# KiCad board STM_proto_board.kicad_pcb (continued)
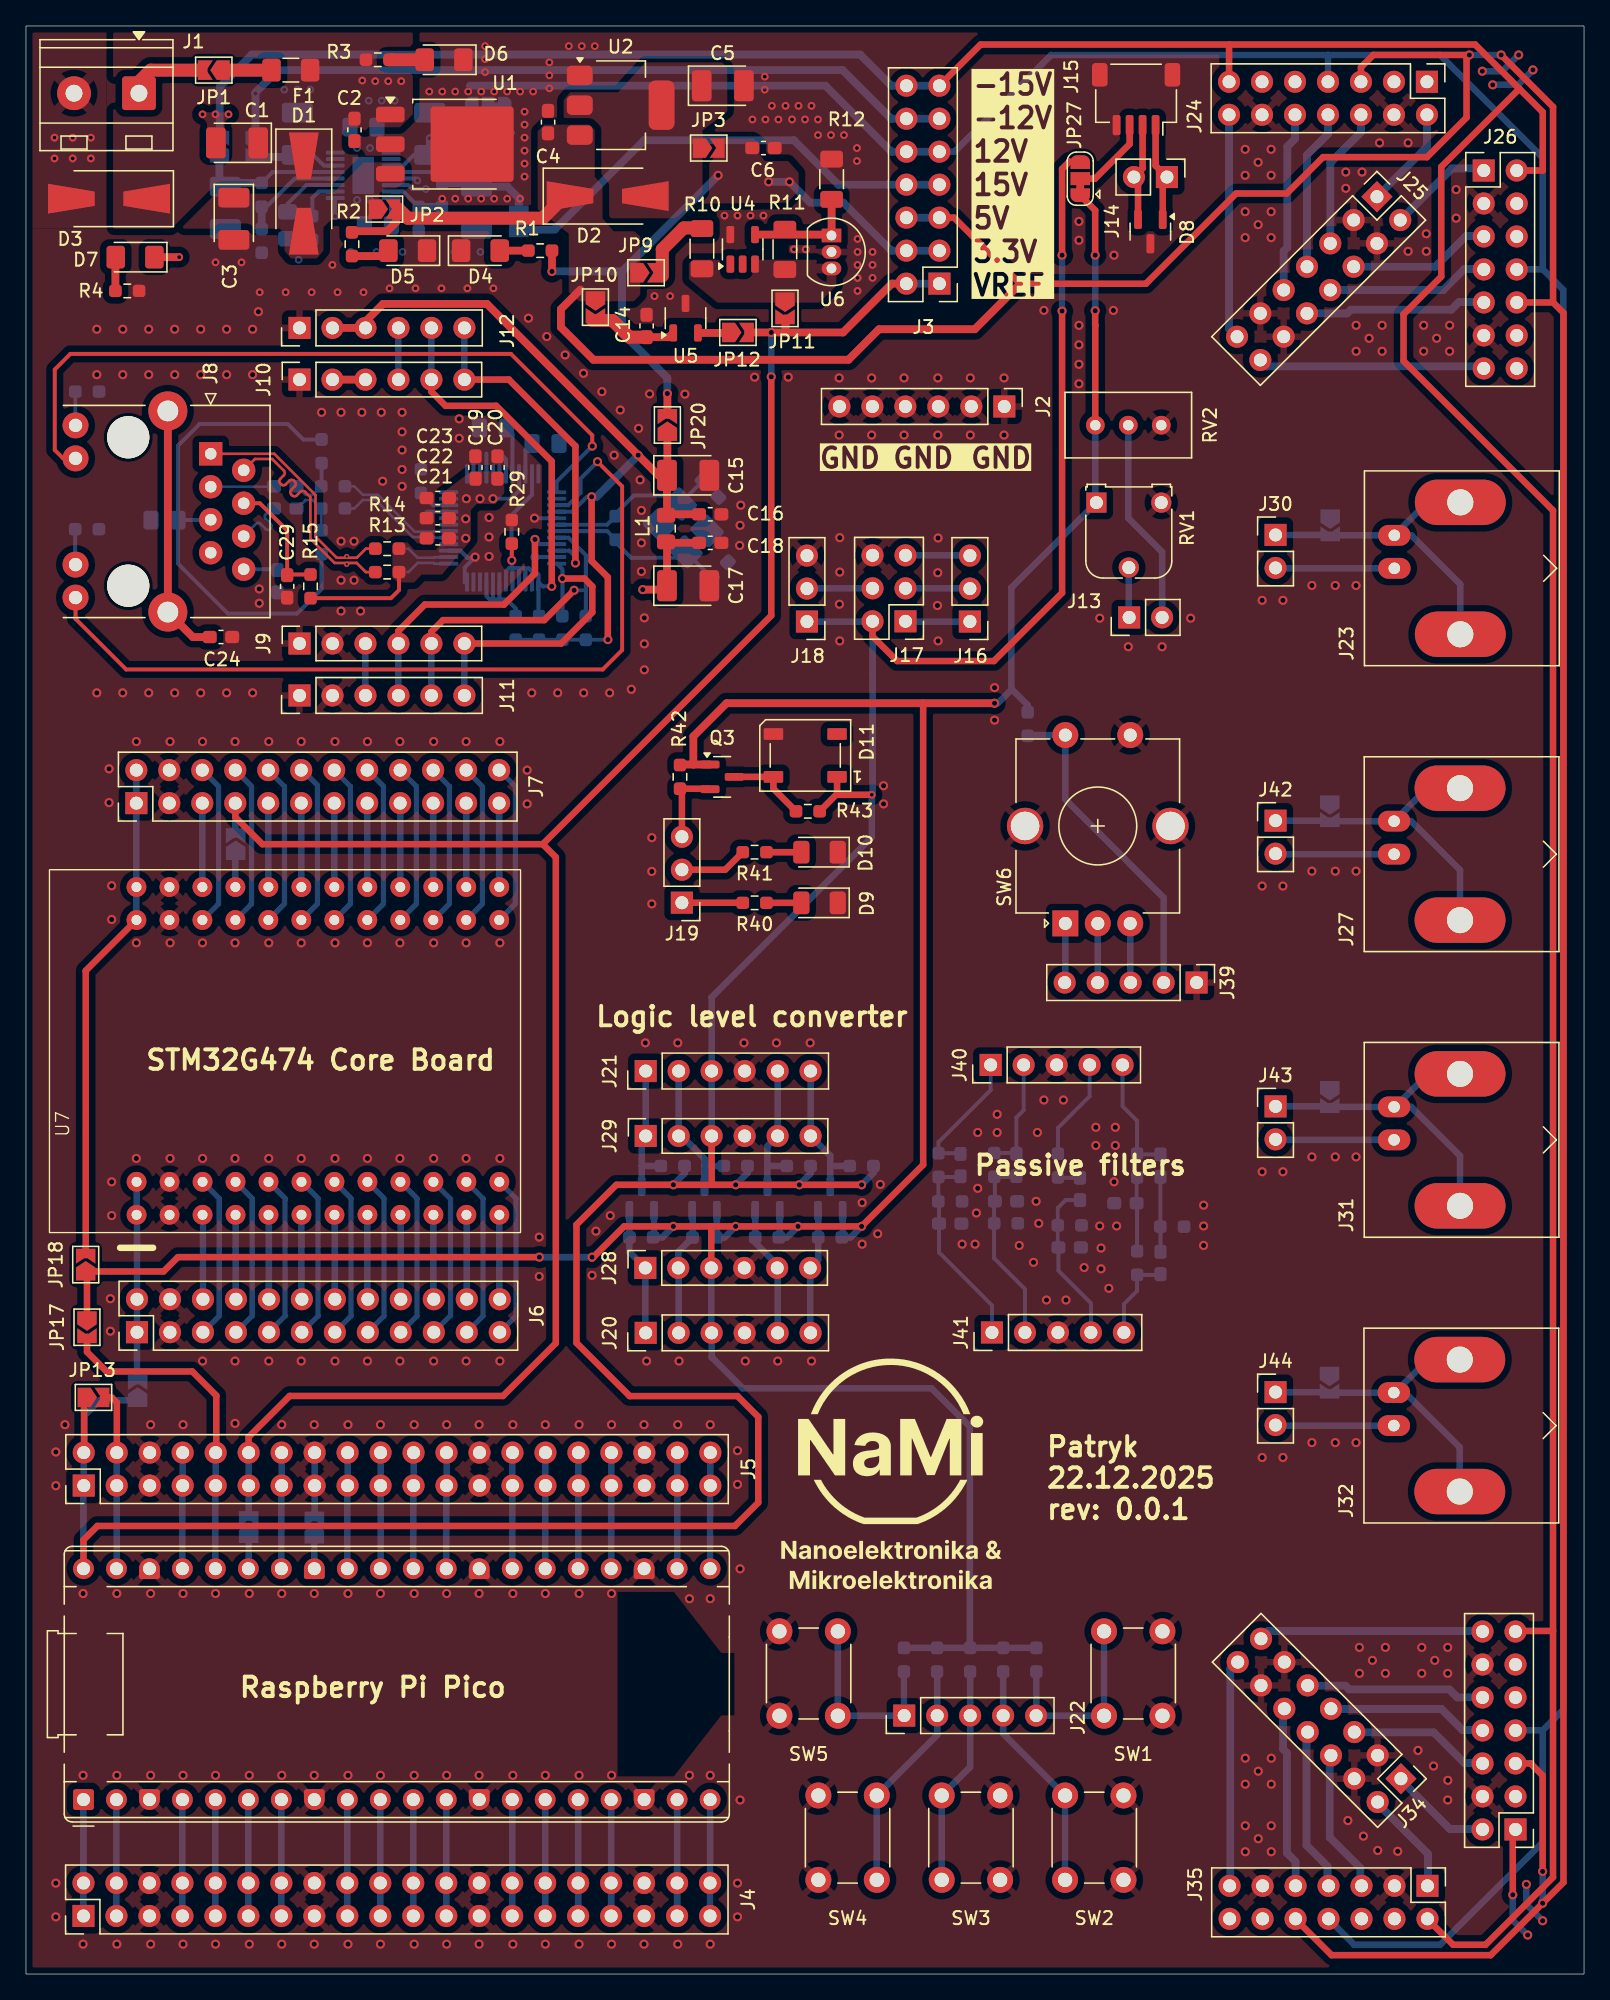
[diagram p0: board, top side]
## Routing (per net, layer and track width the routed paths; a pad name or vN(x,y) marks a point on that pad's centre or on a via; arc(x,y) is an arc through that point) (continued)
VBUS: length 250.9
  Top w0.5: v1(79.8,132.35) 79.8,138.99 80.35,139.54 JP27.3 ; 52.86,60.77 52.81,60.82 J29.3 ; 52.86,60.77 v1(49.86,60.77) 45.47,60.77 42.4,57.7 42.4,48.6 46.5,44.5 54.8,44.5 56.4,42.9 56.4,36.3 54.6,34.5 5.5,34.5 4.43,33.43 A1.40 ; 52.86,60.77 v1(54.66,60.77) v1(59.56,60.77) v1(64.36,60.77) ; 4.5,40.24 4.47,40.26 JP13.1 ; R43.2 62.47,90.87 ; 62.47,90.87 62.54,90.8 v2(65.15,90.8) ; 62.47,90.87 D11.1 ; v1(79.8,128.05) 79.8,106.35 74.55,101.1 67.1,101.1 65.2,103 J17.2
  Bottom w0.5: v1(59.56,60.77) 60.42,61.63 R45.2 ; v1(49.86,60.77) 50.72,61.63 R32.2 ; J5.2 J5.1 4.43,37.59 A1.40 ; J18.1 65.18,104.14 J17.2 65.2,90.85 v2(65.15,90.8) 65.15,87.55 52.81,75.21 J21.3 J29.3 ; v1(54.66,60.77) 55.57,61.68 R34.2 ; v1(79.8,128.05) v1(79.8,132.35) ; R47.2 65.27,61.68 v1(64.36,60.77) ; 4.5,40.24 4.5,43 5.67,44.17 JP14.1
VCC_STM: length 15.4
  Bottom w0.5: U7.2 U7.1 8.55,58.43 J6.1 8.55,45.68 8.6,45.63
/Ethernet/ACTLED: length 66.4
  Top w0.3: v1(44.02,116.45) 45.92,114.55 45.92,101.95 44.42,100.45 7.72,100.45 3.82,104.35 J8.12
  Bottom w0.3: v1(44.02,116.45) 42.71,115.15 42.71,114.05 41.76,113.1 U8.27
/Ethernet/INT: length 23.8
  Top w0.5: J9.6 41.22,102.45 43.62,104.85 43.62,106.85 43.02,107.45 v1(41.32,107.45)
  Bottom w0.3: v1(41.32,107.45) 41.32,108.16 U8.36 ; v1(41.32,107.45) R17.1 ; v1(41.32,107.45) 41.32,107.25
  Bottom w0.5: J11.6 J9.6
/Ethernet/LINKLED: length 58.1
  Top w0.3: J8.10 2.86,116.7 2.22,117.35 2.22,123.55 3.42,124.75 37.35,124.75 43.62,118.48 v1(43.62,117.65)
  Bottom w0.3: U8.25 40.88,114.91 v1(43.62,117.65)
/Ethernet/MISO: length 25.8
  Top w0.5: v1(42.32,108.65) 42.32,117.65 37.2,122.77 J10.6
  Bottom w0.3: v1(42.32,108.65) 42.32,109.13 41.85,109.6 U8.34
  Bottom w0.5: J10.6 J12.6
/Ethernet/MOSI: length 21.5
  In2.Cu w0.5: v6(39.2,109.1) 36.8,106.7 30.4,106.7 J9.3
  Bottom w0.3: U8.35 v6(39.2,109.1)
  Bottom w0.5: J9.3 J11.3
/Ethernet/NC: length 4
  Bottom w0.5: J10.4 J12.4
/Ethernet/RST: length 29.8
  Top w0.5: v1(40.49,106.85) 40.49,116.47 36.22,120.75 32.32,120.75 31.23,121.84 J10.5
  Bottom w0.3: R16.1 39.47,104.61 U8.37 39.8,106.85 v1(40.49,106.85)
  Bottom w0.5: J12.5 J10.5
/Ethernet/RX_C_N: length 4.9
  Bottom w0.2: C25.2 18.91,112.85 18.44,112.38 arc(18.37,112.22) 18.44,112.07 18.86,111.65 arc(18.92,111.49) 18.86,111.34 18.78,111.26 arc(18.63,111.19) 18.47,111.26 18.05,111.68 arc(17.89,111.74) 17.74,111.68 J8.6
/Ethernet/RX_C_P: length 4.9
  Bottom w0.2: C26.2 19.07,114.52 J8.3
/Ethernet/RX_N: length 9.5
  Bottom w0.2: U8.5 31.45,110.6 31.4,110.65 29.78,110.65 26.93,113.5 25.95,113.5 25.3,112.85 R22.1
/Ethernet/RX_P: length 9.5
  Bottom w0.2: U8.6 31.45,111.1 31.4,111.05 29.95,111.05 27.1,113.9 25.95,113.9 25.3,114.55 R23.1
/Ethernet/RX_R_N: length 4.1
  Bottom w0.2: C25.1 20.89,112.85 21.54,113.5 22.08,113.5 22.73,112.85 R22.2 22.74,111.19 R24.1
/Ethernet/RX_R_P: length 4.2
  Bottom w0.2: R23.2 22.73,114.55 22.08,113.9 21.54,113.9 20.89,114.55 C26.1
  Bottom w0.3: R25.1 22.77,114.57 R23.2
/Ethernet/SCLK: length 21.8
  Top w0.5: v1(39.2,110.47) 39.2,107.83 36.82,105.45 30.72,105.45 28.69,103.42 J9.4
  Bottom w0.3: v1(39.2,110.47) 39.57,110.1 U8.33
  Bottom w0.5: J11.4 J9.4
/Ethernet/SCS: length 25.6
  Top w0.5: J9.5 31.23,103.36 32.12,104.25 39.92,104.25 v1(42.22,106.55)
  Bottom w0.3: U8.32 41.77,110.6 43.12,109.25 43.12,106.55 ; v1(42.22,106.55) 43.12,106.55 ; 43.12,106.55 R18.1
  Bottom w0.5: J9.5 J11.5
/Ethernet/TX_N: length 4.1
  Bottom w0.2: R19.1 29.46,107.95 30.16,108.65 31.4,108.65 31.45,108.6 U8.1
/Ethernet/TX_P: length 4.1
  Bottom w0.2: R20.1 29.46,109.75 30.16,109.05 31.4,109.05 31.45,109.1 U8.2
/Ethernet/TX_R_N: length 21.2
  Top w0.2: J8.2 17.64,116.66 18.96,116.66 19.87,115.75 arc(19.94,115.58) 19.87,115.41 19.58,115.12 arc(19.51,114.95) 19.58,114.78 19.66,114.7 arc(19.83,114.63) 20,114.7 20.29,114.99 arc(20.46,115.06) 20.63,114.99 20.72,114.9 arc(20.79,114.73) 20.72,114.56 20.43,114.27 arc(20.36,114.1) 20.43,113.93 20.51,113.85 arc(20.68,113.78) 20.85,113.85 21.14,114.14 arc(21.31,114.21) 21.48,114.14 21.9,113.72 21.9,110.52 23.77,108.65 25.47,108.65 26.17,107.95 R14.2
  Bottom w0.2: R14.2 26.17,107.95 25.47,108.65 24.8,108.65 v7(24.7,108.55)
/Ethernet/TX_R_P: length 21.2
  Top w0.2: R13.2 26.17,109.75 25.47,109.05 23.93,109.05 22.3,110.68 22.3,113.88 19.12,117.06 J8.1
  Top w0.3: J8.1 14.62,117.45
  Bottom w0.2: R13.2 26.17,109.75 25.47,109.05 24.8,109.05 v7(24.7,109.15)
/The rest of the things/H1: length 10.5
  Bottom w0.5: J21.1 J29.1 47.42,64.22 47.42,62.22 ; Q1.3 47.42,62.22 ; 47.42,62.22 R32.1
/The rest of the things/H2: length 11.3
  Bottom w0.5: Q2.3 52.26,62.22 ; 52.26,62.22 52.26,62.77 50.5,64.53 J29.2 J21.2 ; 52.26,62.22 R34.1
/The rest of the things/H3: length 10.7
  Bottom w0.5: R45.1 57.11,62.22 ; 57.11,62.22 Q4.3 ; 57.11,62.22 57.11,63.75 J29.5 J21.5
/The rest of the things/H4: length 11
  Bottom w0.5: J21.6 J29.6 61.95,63.01 61.95,62.22 ; Q5.3 61.95,62.22 ; 61.95,62.22 R47.1
/The rest of the things/L1: length 9.9
  Bottom w0.5: Q1.2 46.48,58.78 R31.1 46.48,55.59 J28.1 47.7,49.4 J20.1
/The rest of the things/L2: length 9.9
  Bottom w0.5: J20.2 50.27,54.34 J28.2 50.24,55.61 R33.1 51.34,58.75 Q2.2
/The rest of the things/L3: length 10.1
  Bottom w0.5: Q4.2 56.16,58.78 56.16,56.31 57.86,54.62 J28.5 57.89,54.34 J20.5
/The rest of the things/L4: length 9.7
  Bottom w0.5: J20.6 60.4,49.4 J28.6 61.02,54.98 R46.1 61.02,58.76 Q5.2
/The rest of the things/MISO: length 5
  Bottom w0.5: J17.1 67.76,104.14 J16.1
/The rest of the things/MOSI: length 5.1
  Bottom w0.5: J18.2 60.17,106.7 J17.4
/The rest of the things/ROT_ENC_SW: length 25.1
  Bottom w0.5: J39.2 87.62,82.88 80.05,90.45 SW6.S1 77.21,95.4 R48.2
/The rest of the things/RST: length 5
  Bottom w0.5: J17.5 72.68,109.24 J16.3
/The rest of the things/SCK: length 5
  Bottom w0.5: J16.2 72.68,106.7 J17.3
/uC/ADC_VREF: length 2.5
  Bottom w0.5: JP15.1 17.15,31.23 A1.35 17.11,31.23
/uC/GPIO0: length 9
  Bottom w0.5: A1.1 J4.2 J4.1
/uC/GPIO1: length 9
  Bottom w0.5: A1.2 J4.4 J4.3
/uC/GPIO2: length 9
  Bottom w0.5: J4.7 J4.8 A1.4
/uC/GPIO3: length 9
  Bottom w0.5: J4.9 J4.10 A1.5
/uC/GPIO4: length 9
  Bottom w0.5: A1.6 J4.12 J4.11
/uC/GPIO5: length 9
  Bottom w0.5: A1.7 J4.14 J4.13
/uC/GPIO6: length 9
  Bottom w0.5: J4.17 J4.18 A1.9
/uC/GPIO7: length 9
  Bottom w0.5: A1.10 J4.20 J4.19
/uC/GPIO8: length 9
  Bottom w0.5: J4.21 J4.22 A1.11
/uC/GPIO9: length 9
  Bottom w0.5: A1.12 J4.24 J4.23
/uC/GPIO10: length 9
  Bottom w0.5: A1.14 J4.28 J4.27
/uC/GPIO11: length 9
  Bottom w0.5: A1.15 J4.30 J4.29
/uC/GPIO12: length 9
  Bottom w0.5: A1.16 J4.32 J4.31
/uC/GPIO13: length 9
  Bottom w0.5: A1.17 J4.34 J4.33
/uC/GPIO14: length 9
  Bottom w0.5: A1.19 J4.38 J4.37
/uC/GPIO15: length 9
  Bottom w0.5: J4.39 J4.40 A1.20
/uC/GPIO16: length 8.9
  Bottom w0.5: A1.21 52.69,37.59 J5.39 J5.40
/uC/GPIO17: length 8.9
  Bottom w0.5: J5.38 J5.37 50.17,31.23 A1.22
/uC/GPIO18: length 8.9
  Bottom w0.5: J5.34 J5.33 45.07,37.59 A1.24
/uC/GPIO19: length 8.9
  Bottom w0.5: J5.32 J5.31 42.55,31.23 A1.25
/uC/GPIO20: length 8.9
  Bottom w0.5: A1.26 39.99,37.59 J5.29 J5.30
/uC/GPIO21: length 8.9
  Bottom w0.5: J5.28 J5.27 37.47,31.23 A1.27
/uC/GPIO22: length 8.9
  Bottom w0.5: A1.29 32.37,37.59 J5.23 J5.24
/uC/GPIO26_ADC0: length 8.9
  Bottom w0.5: A1.31 27.31,31.23 J5.19 J5.20
/uC/GPIO27_ADC1: length 8.9
  Bottom w0.5: A1.32 24.75,37.59 J5.17 J5.18
/uC/GPIO28_ADC2: length 8.9
  Bottom w0.5: A1.34 19.67,37.59 J5.13 J5.14
/uC/NRST: length 12.6
  Bottom w0.4: U7.43 32.61,82.4 32.61,91.45 J7.20
/uC/PA0: length 6.5
  Bottom w0.5: J7.19 31.36,83.71 U7.44
/uC/PA1: length 12.6
  Bottom w0.4: U7.41 30.07,82.4 30.07,91.45 J7.18
/uC/PA2: length 6.5
  Bottom w0.5: J7.17 28.83,90.15 U7.42
/uC/PA3: length 12.6
  Bottom w0.4: U7.39 27.53,82.4 27.53,91.46 26.28,92.71
/uC/PA4: length 6.5
  Bottom w0.5: U7.40 26.28,83.71 J7.15
/uC/PA5: length 12.6
  Bottom w0.4: U7.37 24.99,82.4 24.99,91.45 J7.14
/uC/PA6: length 6.5
  Bottom w0.5: J7.13 23.75,90.15 U7.38
/uC/PA7: length 12.7
  Bottom w0.4: U7.35 22.45,82.4 22.45,91.54 21.2,92.79
/uC/PA8: length 12.6
  Bottom w0.4: U7.10 19.96,59.72 19.96,50.67 J6.9
/uC/PA9: length 6.5
  Bottom w0.5: U7.11 21.22,51.99 J6.12
/uC/PA10: length 12.6
  Bottom w0.4: U7.12 22.5,59.72 22.5,50.67 J6.11
/uC/PA11: length 6.5
  Bottom w0.5: U7.13 23.79,58.43 J6.14
/uC/PA12: length 12.6
  Bottom w0.4: J6.13 25.04,50.67 25.04,59.72 U7.14
/uC/PA15: length 6.5
  Bottom w0.5: J6.16 26.3,51.99 U7.15
/uC/PB0: length 12.6
  Bottom w0.4: U7.33 19.91,82.4 19.91,91.45 J7.10
/uC/PB1: length 6.4
  Bottom w0.5: U7.34 18.67,90.15
/uC/PB2: length 12.6
  Bottom w0.4: J7.8 17.37,91.45 17.37,82.4 U7.31
/uC/PB3: length 12.6
  Bottom w0.4: J6.17 30.12,50.67 30.12,59.72 U7.18
/uC/PB4: length 6.5
  Bottom w0.5: U7.19 31.38,51.99 J6.20
/uC/PB5: length 12.7
  Bottom w0.4: U7.20 32.7,59.68 32.7,50.71 J6.19
/uC/PB6: length 6.5
  Bottom w0.5: U7.21 33.95,58.43 J6.22
/uC/PB7: length 12.6
  Bottom w0.4: J6.21 35.2,50.67 35.2,59.72 U7.22
/uC/PB8_GOOT0: length 6.5
  Bottom w0.5: J6.24 36.46,51.99 U7.23
/uC/PB9: length 12.6
  Bottom w0.4: U7.24 37.74,59.72 37.74,50.67 J6.23
/uC/PB10: length 12.6
  Bottom w0.4: U7.29 14.83,82.4 14.83,91.45 J7.6
/uC/PB11: length 6.4
  Bottom w0.5: U7.30 13.59,90.15
/uC/PB12: length 6.5
  Bottom w0.5: U7.5 13.63,58.43 J6.6
/uC/PB13: length 12.6
  Bottom w0.4: U7.6 14.88,59.72 14.88,50.67 J6.5
/uC/PB14: length 6.5
  Bottom w0.5: J6.8 16.14,51.99 U7.7
/uC/PB15: length 12.6
  Bottom w0.4: U7.8 17.42,59.72 17.42,50.67 J6.7
/uC/PC4: length 6.5
  Bottom w0.5: U7.36 21.2,83.71 J7.11
/uC/PC6: length 6.5
  Bottom w0.5: J6.10 18.71,58.43 U7.9
/uC/PC10: length 12.6
  Bottom w0.4: U7.16 27.58,59.72 27.58,50.67 J6.15
/uC/PC11: length 6.5
  Bottom w0.5: J6.18 28.87,58.43 U7.17
/uC/PC13: length 6.5
  Bottom w0.5: U7.48 36.44,83.71 J7.23
/uC/PC14: length 12.6
  Bottom w0.4: U7.45 35.15,82.4 35.15,91.45 J7.22
/uC/PC15: length 6.5
  Bottom w0.5: J7.21 33.91,90.15 U7.46
/uC/RUN: length 8.9
  Bottom w0.5: A1.30 29.83,37.59 J5.21 J5.22
/uC/VB: length 12.6
  Bottom w0.4: J7.24 37.69,91.45 37.69,82.4 U7.47
SCL: length 7.8
  Top w0.5: J15.1 87,139.24 J14.1 87.55,138.04 D8.1
SDA: length 7.7
  Top w0.5: J15.2 86,139.03 J14.2 85.65,138.05 D8.2
VREF+: length 403.8
  Top w0.5: J7.7 16.12,89.08 18.2,87 39.8,87 ; v1(114.51,6.1) 114.51,10.93 114.75,11.17 ; 39.8,87 57.4,104.6 v1(57.4,122.99) ; 39.8,87 40.81,85.99 40.81,48.58 36.74,44.51 20.31,44.51 17.15,41.35 J5.12
  Top w0.6: J3.2 66.69,130.16 62.92,126.4 58.5,126.4 ; 58.5,126.4 58.5,127.47 58.46,127.47 ; 58.5,126.4 55.62,126.4
  In2.Cu w0.5: 92.68,4.25 95.48,1.45 112.81,1.45 114.36,3 v1(115.66,3) 116.84,3 118.42,4.57 118.42,122.87 117.62,123.67 ; J3.1 86.26,130.16 93.2,137.1 97.1,137.1 99.9,139.9 107.9,139.9 110.95,142.95 110.95,145.47 ; v1(112.97,145.47) 108.13,145.47 J24.1 ; 117.62,123.67 114.85,123.67 J26.14 ; 117.62,123.67 117.62,143.77 116.07,145.32 v1(116.07,146.62)
  Bottom w0.5: 17.15,35.14 J5.11 J5.12 ; v1(114.51,6.1) 114.51,4.15 v1(115.66,3) ; v1(116.07,146.62) 114.92,145.47 v1(112.97,145.47) ; J7.7 16.12,87.74 ; v1(57.4,122.99) v1(57.4,126.4)
  Bottom w0.6: J3.2 J3.1
VSYS_PIPICO: length 14
  Top w0.5: 7.04,40.24 7,40.28 7,44 6.6,44.4 5.93,44.4
  Bottom w0.5: J5.4 J5.3 6.99,31.23 A1.39
Net-(A1-AGND): length 2.4
  Bottom w0.5: A1.33 22.21,31.21 JP16.1
Net-(C24-Pad2): length 19.5
  Top w0.6: J8.SH J8.SH 12.85,102.95 C24.2
Net-(C28-Pad1): length 40
  Bottom w0.3: J8.5 14.2,111.95 C28.1 ; C28.1 11.7,108.61 15.57,104.75 20.87,104.75 22.77,106.65 R24.2 ; C28.1 11.7,117.69 13.37,119.35 20.17,119.35 21.37,118.15 22.75,118.15 R25.2
Net-(C29-Pad1): length 9.4
  Top w0.3: C29.1 20.17,107.76 R15.2 ; J8.4 18.02,113.25 20.12,111.15 20.12,107.76
Net-(C30-Pad1): length 2.7
  Bottom w0.3: C30.1 19.31,108.17 J8.8 16.82,108.12
Net-(C38-Pad1): length 1.7
  Bottom w0.3: C38.1 79.51,61.31 R53.1
Net-(C40-Pad2): length 5.8
  Bottom w0.3: C40.2 87.37,61.38 R57.2 87.38,57.54 C41.1
Net-(C42-Pad2): length 5.7
  Bottom w0.3: R55.1 85.54,61.3 C42.2 85.58,59.31 R56.2
Net-(D4-A): length 2.2
  Top w0.6: D4.2 R1.1
Net-(D5-A): length 3
  Top w0.6: R2.1 27.5,132.29 D5.2
Net-(D6-A): length 2.7
  Top w1: R3.1 D6.2
Net-(D7-A): length 2.6
  Top w0.6: R4.1 6.89,132.17 D7.2
Net-(D9-A): length 2.7
  Top w0.5: R40.1 D9.2
Net-(D10-A): length 2.7
  Top w0.5: R41.1 D10.2
Net-(D11-DIN): length 6.4
  Top w0.5: R43.1 57.57,91.27 D11.4 Q3.3
Net-(J1-Pin_1): length 6
  Top w1: J1.1 8.7,145.7 9.6,146.6 13.48,146.6
Net-(J8-Pad9): length 2.6
  Bottom w0.3: R26.1 3.8,119.26 J8.9
Net-(J8-Pad11): length 2.8
  Bottom w0.3: R21.1 3.79,108.55 J8.11 3.8,108.51
Net-(J13-Pin_1): length 3.9
  Bottom w0.5: RV1.2 84.94,104.48 J13.1
Net-(J13-Pin_2): length 15.9
  Bottom w0.5: RV2.2 84.9,112.1 87.51,109.49 J13.2
Net-(J15-Pin_3): length 6.4
  Top w0.5: JP27.2 82.33,138.24 85,140.91 J15.3
Net-(J19-Pin_1): length 4.7
  Top w0.5: J19.1 55.2,82.49 R40.2
Net-(J19-Pin_2): length 5.2
  Top w0.5: J19.2 53.86,85.03 R41.2
Net-(J19-Pin_3): length 6
  Top w0.5: J19.3 50.52,91.12 R42.1 52.64,91.27
Net-(J22-Pin_1): length 15
  Bottom w0.5: R39.1 67.62,19.92 J22.1 67.63,19.89 SW5.1 SW5.1
Net-(J22-Pin_2): length 18
  Bottom w0.5: R38.1 70.18,23.28 J22.2 ; 70.17,19.91 J22.2 ; J22.2 70.18,18.4 SW4.1 SW4.1
Net-(J22-Pin_3): length 16.9
  Bottom w0.5: SW3.2 SW3.2 72.72,15.94 J22.3 R37.1
Net-(J22-Pin_4): length 18
  Bottom w0.5: J22.4 75.26,18.52 SW2.2 SW2.2 ; J22.4 75.27,19.91 ; J22.4 75.26,23.28 R36.1
Net-(J22-Pin_5): length 15.1
  Bottom w0.5: SW1.2 SW1.2 77.81,19.89 J22.5 77.82,19.92 R35.1
Net-(J23-Ext): length 25.8
  Bottom w0.5: J30.1 100.44,110.81 100.44,110.81 100.47,110.78 J23.2 ; J23.2 106.71,110.78 110.47,107.02 J23.2 ; J23.2 107.93,113.32 J23.2
Net-(J23-In): length 9.2
  Bottom w0.5: J30.2 96.27,108.24 J23.1 105.36,108.21
Net-(J24-Pin_2): length 7.9
  Bottom w0.6: J25.1 107.9,140.7 J24.2
Net-(J24-Pin_6): length 10.9
  Bottom w0.6: J24.6 102.82,141.82 100.46,139.46 J25.5
Net-(J24-Pin_8): length 12.4
  Bottom w0.6: J24.8 100.28,141.68 98.66,140.06 J25.7
Net-(J24-Pin_10): length 13.9
  Bottom w0.6: J25.9 96.87,132.67 97.15,132.95 97.15,140.72 97.74,141.31 97.74,143.16 J24.10
Net-(J24-Pin_14): length 17.3
  Bottom w0.6: J24.14 92.66,126.69 J25.13
Net-(J25-Pin_2): length 8
  Bottom w0.6: J25.2 109.82,139.03 112.16,139.03
Net-(J25-Pin_6): length 10.9
  Bottom w0.6: 112.25,133.82 110.91,133.82 108.55,131.46 102.35,131.46
Net-(J25-Pin_8): length 12.4
  Bottom w0.6: 100.55,129.66 109.15,129.66 110.77,131.28 112.25,131.28
Net-(J25-Pin_10): length 13.9
  Bottom w0.6: 98.76,127.87 101.76,127.87 102.04,128.15 109.78,128.15 110.37,128.74 112.25,128.74
Net-(J25-Pin_14): length 17.3
  Bottom w0.6: J25.14 95.56,123.79 112.16,123.79
Net-(J27-Ext): length 25.8
  Bottom w0.5: J27.2 106.69,88.77 110.45,85.01 J27.2 ; J27.2 107.91,91.31 J27.2 ; J27.2 100.45,88.77 100.42,88.8 96.25,88.8 J42.1
Net-(J27-In): length 9.2
  Bottom w0.5: 105.36,86.21 J27.1 96.28,86.23 J42.2
Net-(J31-Ext): length 25.8
  Bottom w0.5: J31.2 110.45,63.01 106.69,66.77 J31.2 ; J31.2 105.44,66.77 107.98,69.31 J31.2 ; J31.2 100.45,66.77 100.42,66.8 96.25,66.8 J43.1
Net-(J31-In): length 9.1
  Bottom w0.5: J43.2 96.28,64.23 J31.1
Net-(J32-Ext): length 25.5
  Bottom w0.5: J32.2 110.43,40.56 106.22,44.77 J32.2 ; J32.2 100.43,44.77 100.4,44.8 96.25,44.8 J44.1 ; J32.2 105.44,44.77 107.98,47.31 J32.2
Net-(J32-In): length 9.1
  Bottom w0.5: J32.1 96.28,42.23 J44.2
Net-(J33-Pin_2): length 7.9
  Bottom w0.6: 105.81,15.02 109.66,11.17 112.12,11.17
Net-(J33-Pin_6): length 10.9
  Bottom w0.6: 112.12,16.25 110.78,16.25 108.42,18.61 102.22,18.61
Net-(J33-Pin_8): length 12.4
  Bottom w0.6: 112.12,18.79 110.64,18.79 109.02,20.41 100.42,20.41
Net-(J33-Pin_10): length 13.9
  Bottom w0.6: J33.10 110.24,21.29 109.62,21.92 101.91,21.92 101.63,22.2 98.63,22.2
Net-(J33-Pin_14): length 17.3
  Bottom w0.6: 112.12,26.41 95.65,26.41 95.03,25.79
Net-(J34-Pin_2): length 8
  Bottom w0.6: 107.99,6.91 107.99,9.24 104.01,13.22
Net-(J34-Pin_6): length 10.9
  Bottom w0.6: 100.42,16.72 100.42,10.52 102.78,8.16 102.78,6.82
Net-(J34-Pin_8): length 12.4
  Bottom w0.6: 98.62,18.51 98.62,9.91 100.24,8.3 100.24,6.82
Net-(J34-Pin_10): length 13.9
  Bottom w0.6: 96.83,20.31 96.83,17.31 97.11,17.03 97.11,9.33 97.78,8.66 J35.9
Net-(J34-Pin_14): length 17.3
  Bottom w0.6: 93.24,24 92.75,23.51 92.75,6.91
Net-(J39-Pin_3): length 4.6
  Bottom w0.5: SW6.B 85.05,76.37 J39.3
Net-(J39-Pin_4): length 4.6
  Bottom w0.5: J39.4 82.55,76.35 SW6.C
Net-(J39-Pin_5): length 4.6
  Bottom w0.5: SW6.A 80.05,76.39 J39.5
Net-(J40-Pin_1): length 10.2
  Bottom w0.3: C34.1 71.93,63.2 R49.1 70.28,64.05 74.3,68.07 J40.1
Net-(J40-Pin_2): length 8.8
  Bottom w0.3: J40.2 76.84,66.51 76.28,65.95 C36.1 76.23,63.21 R51.1
Net-(J40-Pin_4): length 7.8
  Bottom w0.3: R53.2 79.48,65.15 81.92,67.59 J40.4
Net-(J40-Pin_5): length 9.1
  Bottom w0.3: J40.5 84.46,66.82 85.58,65.7 R55.2 85.63,63.11 C40.1
Net-(J41-Pin_1): length 15.4
  Bottom w0.3: J41.1 74.4,51.48 70.32,55.56 C35.2 70.32,59.44 R50.2 70.27,61.36 R49.2 71.93,61.38 C34.2
Net-(J41-Pin_2): length 14.7
  Bottom w0.3: C36.2 76.23,61.39 R51.2 74.62,61.35 C37.2 74.57,59.45 R52.2 74.57,55.11 76.94,52.74 J41.2
Net-(J41-Pin_4): length 12.6
  Bottom w0.3: J41.4 82.02,51.66 79.52,54.16 C39.2 79.47,56 R54.1 79.47,58.99 80.07,59.59 C38.2
Net-(J41-Pin_5): length 6.7
  Bottom w0.3: C41.2 87.33,53.84 R56.1 85.58,52.6 84.56,51.58 J41.5
Net-(JP1-A): length 3.7
  Top w1: JP1.1 F1.1
Net-(JP4-A): length 22.5
  In2.Cu w0.3: 31.12,141.45 31.12,139.15 27.42,135.45 23.82,135.45
  Bottom w0.3: U3.1 23.8,136.72 v5(23.8,135.35) ; U3.13 30,138.25 v5(30.15,138.1) ; U3.11 29.05,139.25 29.87,140.07 C7.1
  Bottom w0.6: v5(31.1,141.35) C7.1 31.17,140 JP4.1
Net-(JP5-B): length 11.2
  Bottom w0.3: R5.1 31.21,138.75 U3.12
  Bottom w0.6: 37.95,136.22 37.95,136.23 37.95,136.75 37.07,137.63 C8.1 34.41,137.91 R5.1
Net-(JP6-C): length 14.4
  In2.Cu w0.3: 37.37,141.86 33.05,137.55 30.82,137.55
  Bottom w0.3: v5(30.8,137.45) 29.75,137.45 29.45,137.75 U3.14
  Bottom w0.6: JP6.2 35.6,142.65 36.49,141.76 v5(37.34,141.76)
Net-(JP7-B): length 9.9
  Bottom w0.3: U3.6 22.95,139.25 22.13,140.07 C10.2 20.8,139.97 JP7.2
  Bottom w0.6: 17.65,139.92 20.75,139.92 C10.2
Net-(JP8-A): length 11.5
  Bottom w0.3: U3.5 18.99,138.75 R9.2
  Bottom w0.6: R9.2 15.63,137.91 C12.2 14.9,138.08 JP8.1
Net-(JP9-B): length 5.5
  Top w1: 49.01,130.75 49.01,132.8 50.66,134.45 51.8,134.45
Net-(JP10-B): length 6.9
  Top w0.6: U5.1 49.52,126.04 C14.1
  Top w1: C14.1 46.47,126.04 45.19,127.32 43.63,127.32
Net-(JP12-A): length 2.4
  Top w0.6: U5.2 54.14,126.36 54.17,126.4
Net-(JP19-A): length 2.5
  Bottom w0.5: 16.12,86.23 16.13,86.22 U7.32
Net-(R29-Pad1): length 16.4
  Top w0.3: R29.1 v1(37.42,108.85)
  Bottom w0.3: U8.38 38.97,108 38.72,108.25 38.32,108.25 ; 38.32,108.25 38.47,108.1 U8.39 ; 38.32,108.25 37.92,108.25 ; U8.23 38.97,113.9 37.4,112.33 37.4,108.87 v1(37.42,108.85) 37.42,108.25 37.47,108.2 ; 37.47,108.2 37.52,108.25 ; 37.47,108.2 U8.41 ; 37.52,108.25 37.92,108.25 ; 37.52,108.25 37.22,108.25 36.97,108 U8.42 ; 37.92,108.25 37.97,108.2 U8.40
Net-(U3-ADJ^{+}): length 4.4
  Bottom w0.3: R6.1 29.06,137.25 U3.15
  Bottom w0.6: R6.1 32.02,136.06 R5.2
Net-(U3-ADJ^{-}): length 8.3
  Bottom w0.3: U3.4 20.7,138.25 18.54,136.09 R9.1
  Bottom w0.6: R9.1 R8.2
Net-(U3-BYP^{+}): length 2.1
  Bottom w0.3: C9.1 28.13,134.66 U3.16
Net-(U3-BYP^{-}): length 4.9
  Bottom w0.3: C11.2 20.15,136.3 21.6,137.75 U3.3
Net-(U3-RT): length 3.4
  Bottom w0.3: R7.1 22.05,136.75 22.55,137.25 U3.2
Net-(U4-REF): length 8.7
  Top w0.6: 62.01,133.9 U6.1 ; U6.1 62.05,133.88 R12.1 ; U6.1 61.97,133.94 U4.4
Net-(U8-1V2O): length 2.5
  Bottom w0.3: U8.22 38.47,117.34 C32.1
Net-(U8-EXRES1): length 2.5
  Bottom w0.3: R30.1 31.35,113.1 U8.10
Net-(U8-PMODE0): length 6.9
  Bottom w0.3: R27.2 37.72,105.15 37.02,105.85 35.72,105.85 35.47,106.1 U8.45 ; U8.44 35.97,105.9 ; U8.43 36.47,105.9
Net-(U8-TOCAP): length 3.7
  Bottom w0.3: C33.1 37.47,118.59 U8.20
Net-(U8-XI/CLKIN): length 12.1
  Bottom w0.3: R28.1 44.75,111.6 U8.30 ; 49.74,113.85 46.82,113.85 45.42,112.45 ; 50.41,113.26 C27.1
Net-(U8-XO): length 13.1
  Bottom w0.3: 45.42,110.25 46.62,109.05 50.37,109.05 ; U8.31 44.77,111.1 45.42,110.45 ; C31.1 50.83,109.49

## Copper pours and planes (outline as drawn; the poured copper is in the pictures)
+3V3 on Top: 52.81,141.35 52.81,140.8 52.11,140.8 52.11,137.18 51.22,136.3 58.61,136.4 59.51,137.28 59.51,138.7 58.71,139.6 56.91,139.6 56.51,140.1 56.51,140.98 56.01,141.35
+5V on Top: 42.61,128.8 41.81,129.5 41.81,134 39.41,135.89 39.41,141.9 39.91,142.4 43.41,142.4 43.81,142 43.81,138.4 44.41,137.7 44.41,135.18 45.25,134.2 46.81,134.2 47.31,133.8 47.31,129.3 46.81,128.8
+12V on Top: 6.2,150 29.8,150 29.8,143.2 28.8,142.2 26.4,142.2 25.6,141.4 25.6,139.8 23.39,137.6 14.4,137.6 11.2,134.4 6.2,134.4
+12V on Bottom: 25.5,146.05 25.75,146.3 34.75,146.3 34.9,146.1 34.9,141.7 33.7,141.7 33.7,144.5 33.1,145.3 25.75,145.3 25.5,145.55
/Ethernet/3V3A on Top: 28.65,107.15 29.9,107.15 30.47,107.75 32.03,107.75 34.27,110.43 34.27,112.72 34.72,113.2 36.16,113.2 36.82,114.01 36.82,115.51 36.67,115.7 34.27,115.7 32.02,114 32.02,110.2 31.57,109.65 29.92,109.65 29.37,110.25 28.43,110.25 28.22,110.04 28.22,107.5
/Ethernet/3V3A on Top, Bottom, In1.Cu, In2.Cu: 34.27,112.72 34.27,110.42 33.79,109.85 32.35,109.85 32,110.2 32.02,114 34.27,115.7 36.67,115.7 36.82,115.51 36.84,114.03 36.17,113.2 34.72,113.2
/Ethernet/3V3D on Bottom: 22.88,121.65 22.52,121.95 22.52,127.55 22.9,127.95 26.8,127.95 27.2,127.55 27.22,122.05 26.8,121.65
GND on Top: 0,150 120,150 120,0 0,0
GND on Top: 0,150 6.2,150 6.2,134.4 0,134.4
GND on Bottom: 0,150 120,150 120,0 0,0
GND on In1.Cu, In2.Cu: 0,150 120,150 120,0 0,0
Net-(D1-A) on Top: 11.21,134.4 13.91,137.1 21.61,137.1 24.01,139.5 28.81,139.5 29.21,139.1 29.21,137.95 29.2,137.95 28.51,137.5 27.66,137.5 27.21,137.08 27.21,135.1 23.54,135.1 22.91,134.5 22.91,132.7 22.41,132.1 20.41,132.1 19.91,132.7 19.91,134.1 19.51,134.4
Net-(D2-A) on Top: 53.61,147.2 54,146.81 54.02,143.41 52.11,141.97 52.11,137.18 50.09,135.2 44.41,135.2 44.41,137.7 43.81,138.4 43.81,142 43.41,142.4 41.41,142.4 41.41,144.3 41.91,144.9 45.61,144.9 47.71,147.2
Net-(JP11-A) on Top: 51.06,131.7 51.36,132 61.73,132 62.41,131.79 62.41,130 61.11,128.7 53.25,128.7 51.06,130.5
Net-(U3-C^{+}) on Bottom: 27.39,139.61 27.39,141.06 27.14,141.31 26.49,141.31 26.29,141.51 26.29,142.81 26.49,143.01 28.59,143.01 28.84,142.81 28.84,139.61
Net-(U3-C^{-}) on Bottom: 24.54,139.61 24.54,141.06 24.79,141.31 25.44,141.31 25.64,141.51 25.64,142.81 25.44,143.01 23.34,143.01 23.09,142.81 23.09,139.61

## Text on the board
F.Silkscreen: STM32G474 Core Board | Raspberry Pi Pico | Logic level converter | GND	GND	GND | Passive filters | Patryk / 22.12.2025 / rev: 0.0.1 | -15V / -12V / 12V / 15V / 5V / 3.3V / VREF
